# Altium PCB Audio_Player_V1.1.PcbDoc (part 1 of 2)
Units mil, origin at the board's own origin, x right, y up, seen from the top; angles counter-clockwise.
Board outline 1457.38 x 2657.34 mil, 2 copper layers (Top Layer, Bottom Layer); 114 components, 89 nets, 447 pads, 204 vias.
Unrouted connection lines stored in the file: 144.
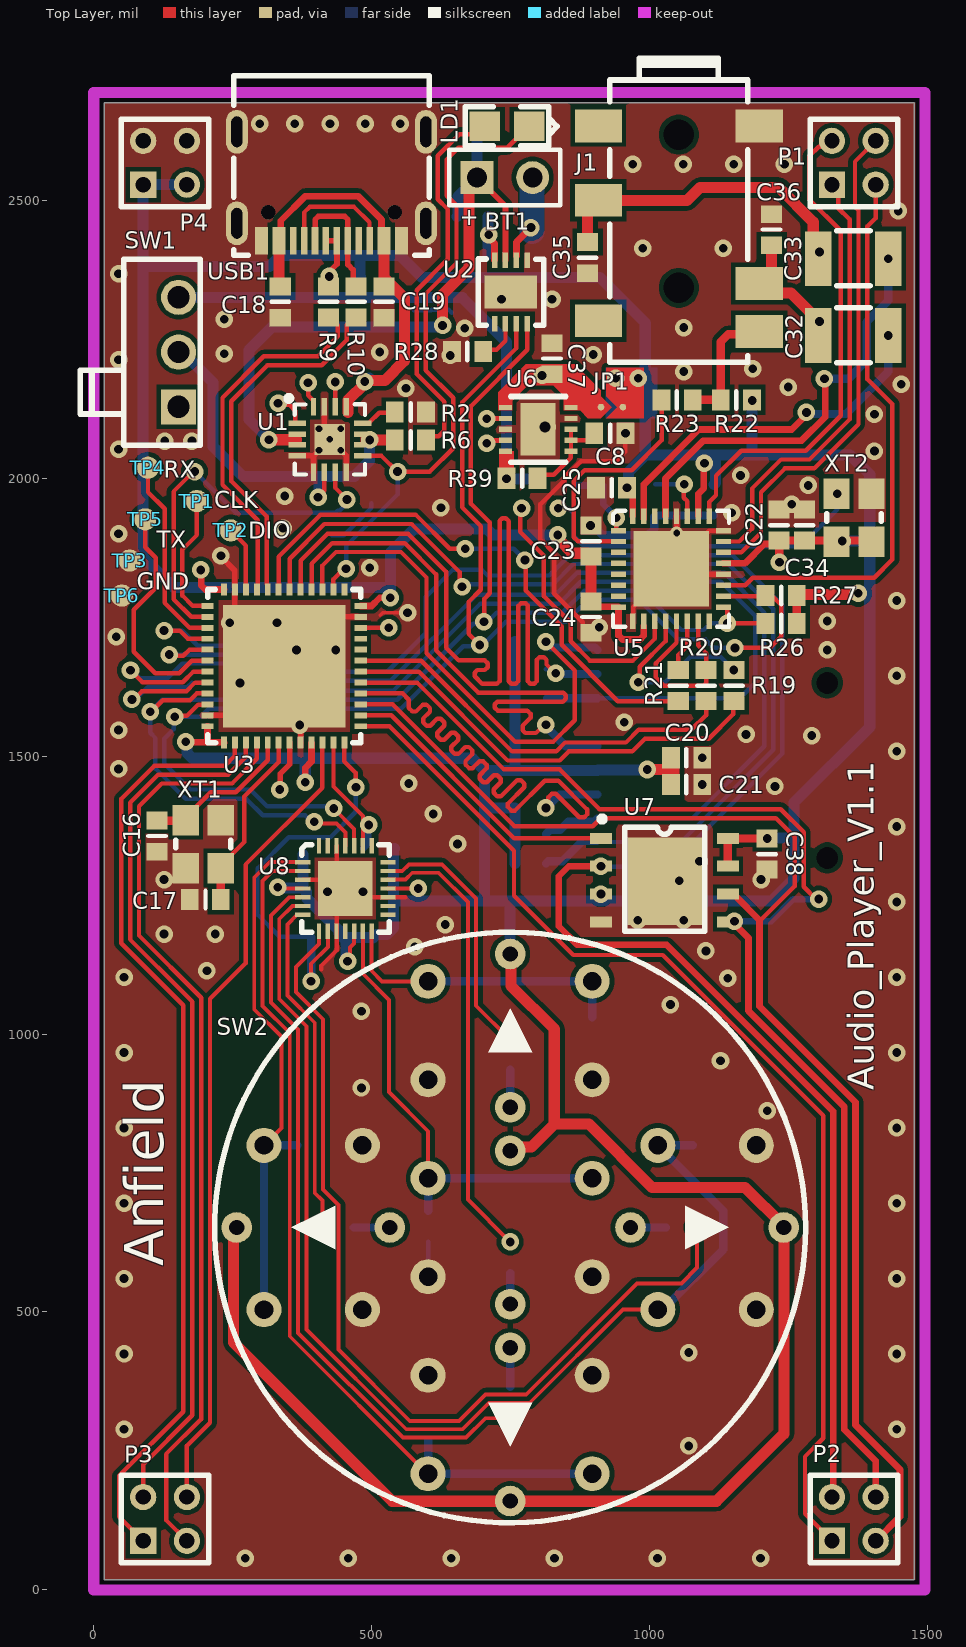
[diagram p0: Top Layer view]
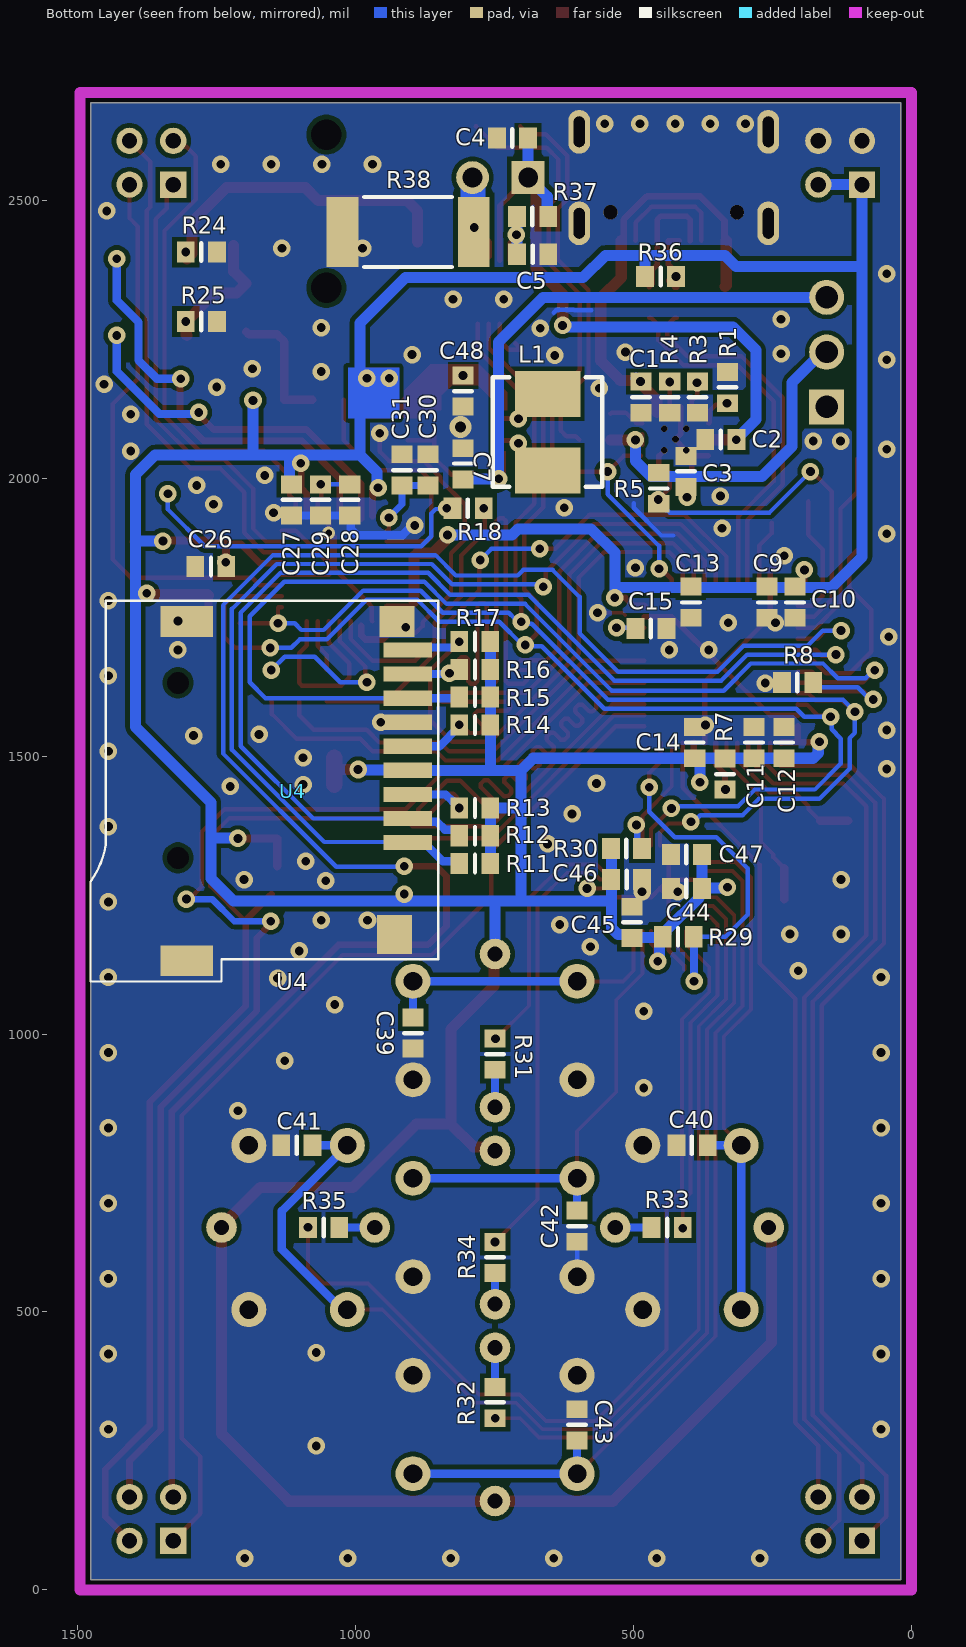
[diagram p1: Bottom Layer view, seen from below]
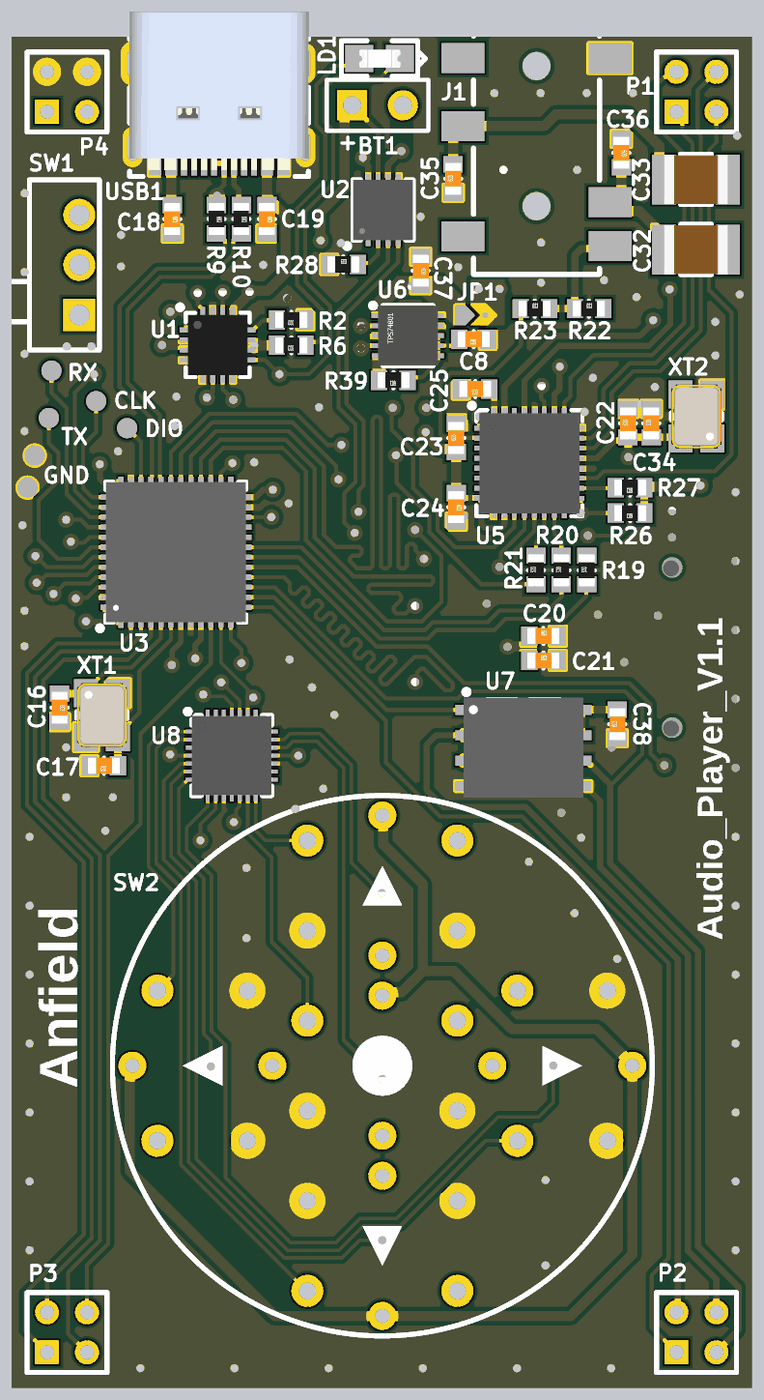
[diagram p3: 3D render of the assembled board from above, using the file's embedded part models]
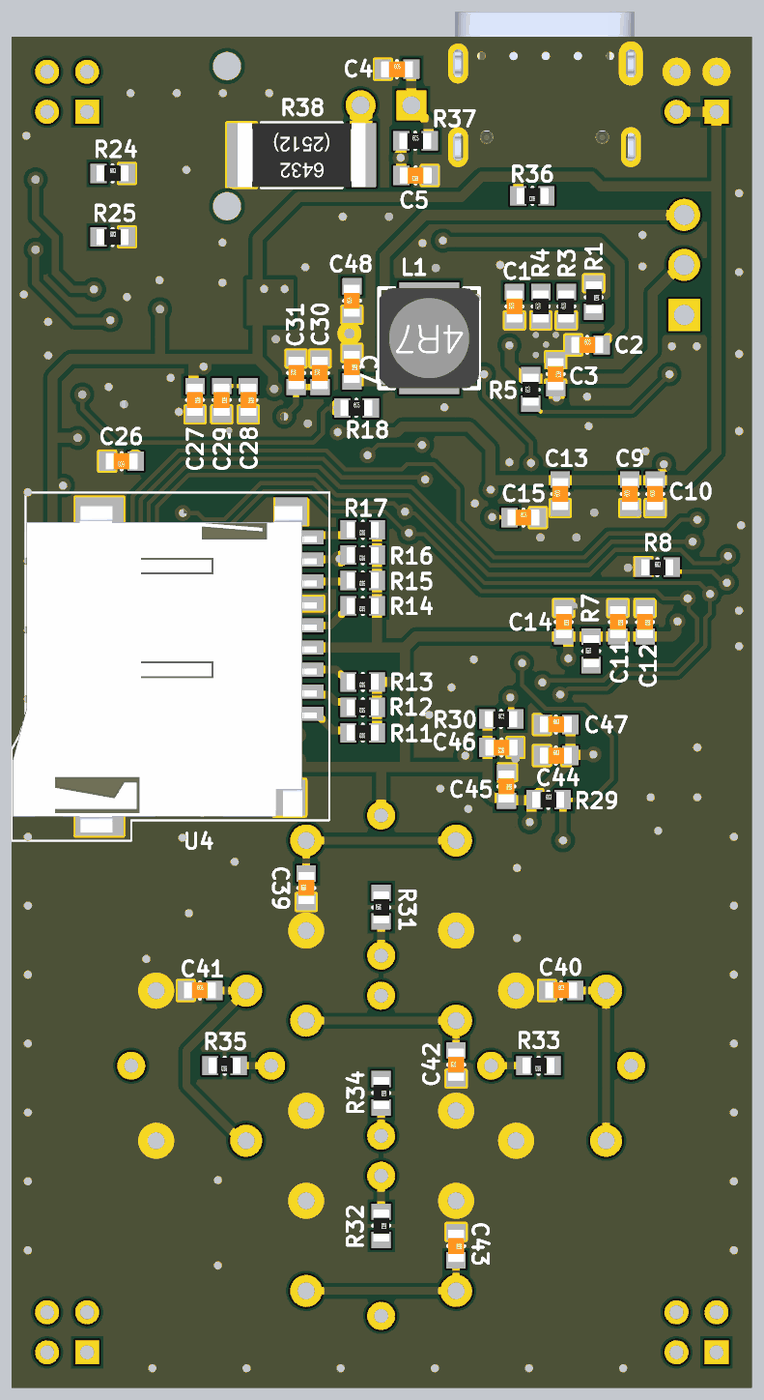
[diagram p4: 3D render of the assembled board from below, using the file's embedded part models]

## Layer stack, top to bottom
Top Solder: solder mask 0.4, Solder Resist, Dk 3.5
Top Layer: signal copper 1.4
Dielectric 1: dielectric 12.6, FR-4, Dk 4.8
Bottom Layer: signal copper 1.4
Bottom Solder: solder mask 0.4, Solder Resist, Dk 3.5

## Board outline
19.65,18.39 19.65,2675.73 1477.03,2675.73 1477.03,18.39

## Design rules (kind name [scope] priority, off if disabled: settings)
Clearance [All] p1: gap=8 ignorepadtopadclearanceinfootprint=FALSE
DiffPairsRouting [All] p1: maxlimit=10 minlimit=8 mostfreqgap=8 toplayer_minwidth=6 toplayer_maxwidth=15 toplayer_prefwidth=8 bottomlayer_minwidth=6 bottomlayer_maxwidth=15 bottomlayer_prefwidth=8 maxuncoupledlength=500
MatchedLengths SDIO [InNetClass('Net_SDIO')] p1: tolerance=1181.1 checknetsindiffpair=FALSE checkdiffpairvsdiffpair=TRUE checkxsignals=TRUE checkothers=TRUE
PolygonConnect [All] p1: connectstyle=Direct reliefconductorwidth=10 reliefentries=4 polygonreliefangle="90 Angle" airgapwidth=10
RoutingVias [All] p1: holewidth=15.75 width=31.5 viastyle="Through Hole" minholewidth=15.75 minwidth=31.5 maxholewidth=39.37 maxwidth=78.74
SolderMaskExpansion [All] p1: expansion=4 istentingtop=FALSE
Width [All] p1: maxlimit=39.37 minlimit=6 preferedwidth=8
29 further rules are at their usual default settings.

## Classes and differential pairs
net class TP6_Nets: GND
net class U6_Nets: 3V3+ 4V4 GND NetC8_2 NetL1_1 NetL1_2
net class R39_Nets: 4V4 NetC8_2
net class R38_Nets: BAT_GND GND
net class R37_Nets: NetC5_2 V_BAT
net class LD1_Nets: CHARGER NetLD1_1
net class L1_Nets: NetL1_1 NetL1_2
net class JP1_Nets: 3V3 3V3+
net class C48_Nets: 3V3+ GND
net class C4_Nets: GND V_BAT
net class R36_Nets: 3V3 USB_P
net class P4_Nets: 3V3 GND NetP4_1 NetP4_2 NetP4_3 NetP4_4
net class P2_Nets: NetP2_1 NetP2_2 NetP2_3 NetP2_4 STM_SPI1_MISO STM_SPI1_MOSI STM_SPI1_SCK VOLUME
net class R35_Nets: LED_RIGHT NetR35_1
net class R34_Nets: LED_CENTRE NetR34_2
net class R33_Nets: LED_LEFT NetR33_2
net class R32_Nets: LED_DOWN NetR32_1
net class R31_Nets: LED_UP NetR31_1
net class R30_Nets: 3V3 IO_RESET
net class R29_Nets: 3V3 IO_INT
net class C47_Nets: 3V3 GND
net class C46_Nets: 3V3 GND
net class C45_Nets: 3V3 GND
net class C44_Nets: 3V3 GND
net class U8_Nets: 3V3 BTN_CENTRE BTN_DOWN BTN_LEFT BTN_RIGHT BTN_UP GND IO_INT IO_RESET LED_CENTRE LED_DOWN LED_LEFT LED_RIGHT LED_UP NetU8_1 NetU8_2 NetU8_3 NetU8_4 NetU8_5 NetU8_6 NetU8_7 NetU8_8 NetU8_9 NetU8_10 NetU8_11 NetU8_12 NetU8_13 NetU8_14 NetU8_15 NetU8_16 NetU8_17 NetU8_18 NetU8_19 NetU8_20 NetU8_21 NetU8_22 NetU8_23 NetU8_24 NetU8_25 NetU8_26 NetU8_27 NetU8_28 NetU8_29 STM_I2C1_SCL STM_I2C1_SDA
net class U7_Nets: 3V3 FLASH_CS GND STM_SPI1_MISO STM_SPI1_MOSI STM_SPI1_SCK
net class U2_Nets: BAT_GND GND NetC5_2 NetR28_2 NetU6_5 NetU6_6 STM_I2C1_SCL STM_I2C1_SDA V_BAT
net class TP5_Nets: STM_USART1_TX
net class TP4_Nets: STM_USART1_RX
net class TP3_Nets: GND
net class SW2_Nets: 3V3 BTN_CENTRE BTN_DOWN BTN_LEFT BTN_RIGHT BTN_UP GND NetR31_1 NetR32_1 NetR33_2 NetR34_2 NetR35_1 NetSW2_5 NetSW2_6 NetSW2_11 NetSW2_12 NetSW2_17 NetSW2_18 NetSW2_23 NetSW2_24 NetSW2_29 NetSW2_30
net class R28_Nets: GND NetR28_2
net class P3_Nets: LCD_BL LCD_CS LCD_DC LCD_RST NetP2_2 NetP2_4 NetP2_6 NetP2_8
net class C43_Nets: BTN_DOWN GND
net class C42_Nets: BTN_CENTRE GND
net class C41_Nets: BTN_RIGHT GND
net class C40_Nets: BTN_LEFT GND
net class C39_Nets: BTN_UP GND
net class C38_Nets: 3V3 GND
net class C37_Nets: 3V3+ GND
net class P1_Nets: SPEAK_LN SPEAK_LP SPEAK_RN SPEAK_RP
net class R26_Nets: 3V3 STM_I2C1_SCL
net class R27_Nets: 3V3 STM_I2C1_SDA
net class XT2_Nets: 3V3 GND I2S_MCLK
net class R25_Nets: GND HEADPHONE_L
net class R24_Nets: GND HEADPHONE_R
net class R23_Nets: HP_DETECT NetJ1_6
net class R22_Nets: 3V3 NetJ1_6
net class C36_Nets: GND HEADPHONE_L
net class C35_Nets: GND HEADPHONE_R
net class C34_Nets: 3V3 GND
net class C33_Nets: HEADPHONE_R NetC33_1
net class C32_Nets: HEADPHONE_L NetC32_1
net class C31_Nets: GND MICBIAS
net class C30_Nets: GND MICBIAS
net class C29_Nets: GND NetC28_1
net class C28_Nets: GND NetC28_1
net class C27_Nets: 3V3 GND
net class C26_Nets: 3V3 GND
net class C25_Nets: 3V3 GND
net class R21_Nets: NetR21_2 STM_I2S5_SD
net class R20_Nets: NetR20_2 STM_I2S5_WS
net class R19_Nets: NetR19_2 STM_I2S5_CK
net class R18_Nets: I2S_MCLK NetR18_2
net class C24_Nets: 3V3 GND
net class C23_Nets: 3V3 GND
net class C22_Nets: 3V3 GND
net class XT1_Nets: GND OSC_IN OSC_OUT
net class USB1_Nets: GND NetUSB1_A8 NetUSB1_B8 USB_CC USB_N USB_P V_IN
net class U5_Nets: 3V3 GND HP_DETECT MICBIAS NetC28_1 NetC32_1 NetC33_1 NetR18_2 NetR19_2 NetR20_2 NetR21_2 NetU5_1 NetU5_2 NetU5_3 NetU5_4 NetU5_5 NetU5_6 NetU5_7 NetU5_8 NetU5_9 NetU5_10 NetU5_11 NetU5_12 NetU5_13 NetU5_14 NetU5_15 NetU5_16 NetU5_19 NetU5_20 NetU5_21 NetU5_22 NetU5_23 NetU5_24 NetU5_25 NetU5_26 NetU5_27 NetU5_28 NetU5_29 NetU5_30 NetU5_31 NetU5_32 NetU5_33 SPEAK_LN SPEAK_LP SPEAK_RN SPEAK_RP STM_I2C1_SCL STM_I2C1_SDA
net class U4_Nets: 3V3 GND SD_DETECT SDIO_CLK SDIO_CMD SDIO_D0 SDIO_D1 SDIO_D2 SDIO_D3
net class U3_Nets: 3V3 CHARGER FLASH_CS GND IO_INT IO_RESET LCD_BL LCD_CS LCD_DC LCD_RST NetC15_1 NetR8_2 NetU3_2 NetU3_3 NetU3_4 NetU3_10 NetU3_11 NetU3_12 NetU3_13 NetU3_14 NetU3_15 NetU3_17 NetU3_20 NetU3_21 NetU3_25 NetU3_26 NetU3_38 NetU3_39 NetU3_40 NetU3_42 nRST OSC_IN OSC_OUT PGOOD SD_DETECT SDIO_CLK SDIO_CMD SDIO_D0 SDIO_D1 SDIO_D2 SDIO_D3 STM_I2C1_SCL STM_I2C1_SDA STM_I2S5_CK STM_I2S5_SD STM_I2S5_WS STM_SPI1_MISO STM_SPI1_MOSI STM_SPI1_SCK STM_USART1_RX STM_USART1_TX STM_USB_N STM_USB_P SWCLK SWDIO VOLUME
net class U1_Nets: 4V4+ CHARGER GND NetR1_2 NetR2_2 NetR3_2 NetR4_2 PGOOD V_BAT V_IN
net class TP2_Nets: SWDIO
net class TP1_Nets: SWCLK
net class SW1_Nets: 4V4 4V4+ NetSW1_1
net class R17_Nets: 3V3 SD_DETECT
net class R16_Nets: 3V3 SDIO_D1
net class R15_Nets: 3V3 SDIO_D0
net class R14_Nets: 3V3 SDIO_CLK
net class R13_Nets: 3V3 SDIO_CMD
net class R12_Nets: 3V3 SDIO_D3
net class R11_Nets: 3V3 SDIO_D2
net class R10_Nets: STM_USB_N USB_N
net class R9_Nets: STM_USB_P USB_P
net class R8_Nets: GND NetR8_2
net class R7_Nets: 3V3 nRST
net class R6_Nets: 4V4+ NetLD1_1
net class R5_Nets: 4V4+ PGOOD
net class R4_Nets: GND NetR4_2
net class R3_Nets: GND NetR3_2
net class R2_Nets: GND NetR2_2
net class R1_Nets: GND NetR1_2
net class J1_Nets: GND HEADPHONE_L HEADPHONE_R NetJ1_1 NetJ1_2 NetJ1_3 NetJ1_4 NetJ1_5 NetJ1_6
net class C21_Nets: 3V3 GND
net class C20_Nets: 3V3 GND
net class C19_Nets: GND V_IN
net class C18_Nets: GND V_IN
net class C17_Nets: GND OSC_OUT
net class C16_Nets: GND OSC_IN
net class C15_Nets: GND NetC15_1
net class C14_Nets: 3V3 GND
net class C13_Nets: 3V3 GND
net class C12_Nets: 3V3 GND
net class C11_Nets: 3V3 GND
net class C10_Nets: 3V3 GND
net class C9_Nets: 3V3 GND
net class C8_Nets: GND NetC8_2
net class C5_Nets: GND NetC5_2
net class C7_Nets: 4V4 GND
net class C3_Nets: 4V4+ GND
net class C2_Nets: GND V_BAT
net class C1_Nets: GND V_IN
net class BT1_Nets: BAT_GND V_BAT
component class "Music Player": C22 C23 C24 C25 C26 C27 C28 C29 C30 C31 C32 C33 C34 C35 C36 J1 P1 R18 R19 R20 R21 R22 R23 R24 R25 U5 XT2
differential pair class Diff_USB: STM_USB
net class Net_SDIO: SDIO_CLK SDIO_CMD SDIO_D0 SDIO_D1 SDIO_D2 SDIO_D3
component class Main: C9 C10 C11 C12 C13 C14 C15 C16 C17 C18 C19 C20 C21 C38 C39 C40 C41 C42 C43 C44 C45 C46 C47 P2 P3 P4 R7 R8 R9 R10 R11 R12 R13 R14 R15 R16 R17 R29 R30 R31 R32 R33 R34 R35 R36 SW2 TP1 TP2 TP3 TP4 TP5 TP6 U3 U4 U7 U8 USB1 XT1
component class "Power Supply": BT1 C1 C2 C3 C4 C5 C7 C8 C37 C48 JP1 L1 LD1 R1 R2 R3 R4 R5 R6 R26 R27 R28 R37 R38 R39 SW1 U1 U2 U6
differential pair USB: +USB_P -USB_N
differential pair STM_USB: +STM_USB_P -STM_USB_N

## Components (designator, comment, footprint, x,y, rotation, side; value= is the part's Value field where it differs from the comment)
BT1 "Battery" BAT-2 740,2541 r0 top
C1 "1uF" "Cap 0603" 485,2145.92 r90 bottom
C2 "10uF" "Cap 0603" 343.32,2067.68 r180 bottom
C3 "10uF" "Cap 0603" 408,2012 r270 bottom
C4 "1uF" "Cap 0603" 718,2610 r180 bottom
C5 "220nF" "Cap 0603" 682,2405 r0 bottom
C7 "10uF" "Cap 0603" 809,2026 r270 bottom
C8 "100nF" "Cap 0603" 929,2083 r180 top
C9 "100nF" "Cap 0603" 258,1777 r90 bottom
C10 "100nF" "Cap 0603" 208,1777 r90 bottom
C11 "100nF" "Cap 0603" 285.4,1524.2 r270 bottom
C12 "100nF" "Cap 0603" 232,1524.2 r270 bottom
C13 "100nF" "Cap 0603" 395,1777 r90 bottom
C14 "10uF" "Cap 0603" 392.21,1524.2 r270 bottom
C15 "2.2uF" "Cap 0603" 469,1728 r180 bottom
C16 "12pF" "Cap 0603" 112,1356 r270 top
C17 "12pF" "Cap 0603" 201,1244 r180 top
C18 "10uF" "Cap 0603" 334,2316.79 r270 top
C19 "100nF" "Cap 0603" 520.43,2316.79 r270 top
C20 "100nF" "Cap 0603" 1067,1495.1 r0 top
C21 "1uF" "Cap 0603" 1067,1447 r0 top
C22 "1uF" "Cap 0603" 1235,1916 r90 top
C23 "100nF" "Cap 0603" 897,1887 r90 top
C24 "100nF" "Cap 0603" 893,1750 r270 top
C25 "100nF" "Cap 0603" 932,1985 r180 top
C26 "100nF" "Cap 0603" 1261,1843 r0 bottom
C27 "10uF" "Cap 0603" 1118,1961 r270 bottom
C28 "10uF" "Cap 0603" 1013,1961 r270 bottom
C29 "100nF" "Cap 0603" 1065.5,1961 r270 bottom
C30 "100nF" "Cap 0603" 868,2015 r90 bottom
C31 "10uF" "Cap 0603" 915,2015 r90 bottom
C32 "100uF-10V" "Cap 1210" 1367,2257 r180 top
C33 "100uF-10V" "Cap 1210" 1367,2395 r180 top
C34 "100nF" "Cap 0603" 1281,1916 r90 top
C35 "220pF" "Cap 0603" 891,2397 r90 top
C36 "220pF" "Cap 0603" 1218,2447 r270 top
C37 "10uF" "Cap 0603" 823,2215 r270 top
C38 "100nF" "Cap 0603" 1214,1324 r90 top
C39 "100nF" "Cap 0603" 895,1002 r90 bottom
C40 "100nF" "Cap 0603" 395,798 r180 bottom
C41 "100nF" "Cap 0603" 1106,798 r180 bottom
C42 "100nF" "Cap 0603" 600,654.4 r90 bottom
C43 "100nF" "Cap 0603" 604,297 r270 bottom
C44 "100nF" "Cap 0603" 405,1260 r180 bottom
C45 "100nF" "Cap 0603" 505,1201 r270 bottom
C46 "100nF" "Cap 0603" 513,1280 r0 bottom
C47 "10uF" "Cap 0603" 405,1321 r180 bottom
C48 "10uF" "Cap 0603" 805,2157 r90 bottom
J1 "Jack Audio 4 PJ-342-4.5H" PJ-342 1053,2716.54 r270 top
JP1 "Jump 1mm" "Jump 1mm" 932.69,2128 r0 top
L1 "2R2uH" "Inductor 0520" 655,2083 r0 bottom
LD1 "LED" LED 738,2634 r0 top
P1 "Header 2x2" "Header 2mm 2x2" 1368,2567.26 r0 top
P2 "Header 2x2" "Header 2mm 2x2" 1368,127.26 r0 top
P3 "Header 2x2" "Header 2mm 2x2" 128.78,127.26 r0 top
P4 "Header 2x2" "Header 2mm 2x2" 128.78,2567.26 r0 top
R1 "10k" "Res 0603" 331,2163 r270 bottom
R2 "1k1-1%" "Res 0603" 570,2119 r180 top
R3 "1k3-1%" "Res 0603" 385,2145.92 r90 bottom
R4 "47k-1%" "Res 0603" 435.31,2145.92 r90 bottom
R5 "1k5-1%" "Res 0603" 455,1982 r90 bottom
R6 "1k5-1%" "Res 0603" 570,2069 r180 top
R7 "1k-1%" "Res 0603" 336,1468 r90 bottom
R8 "1k-1%" "Res 0603" 205.2,1632.47 r180 bottom
R9 "10R-1%" "Res 0603" 423,2317 r270 top locked
R10 "10R-1%" "Res 0603" 472,2317 r270 top locked
R11 "10k-1%" "Res 0603" 786,1307 r0 bottom
R12 "10k-1%" "Res 0603" 786,1356.88 r0 bottom
R13 "10k-1%" "Res 0603" 786,1406.75 r0 bottom
R14 "10k-1%" "Res 0603" 786,1556.38 r0 bottom
R15 "10k-1%" "Res 0603" 786,1606.25 r0 bottom
R16 "10k-1%" "Res 0603" 786,1656.12 r0 bottom
R17 "10k-1%" "Res 0603" 786,1706 r0 bottom
R18 "10R-1%" "Res 0603" 798,1946 r180 bottom
R19 "10R-1%" "Res 0603" 1152,1627 r90 top
R20 "10R-1%" "Res 0603" 1102,1627 r90 top
R21 "10R-1%" "Res 0603" 1052,1627 r90 top
R22 "33k-1%" "Res 0603" 1156.58,2141 r0 top
R23 "0R-1%" "Res 0603" 1050,2141 r0 top
R24 "10k-1%" "Res 0603" 1278,2407 r180 bottom
R25 "10k-1%" "Res 0603" 1278,2282 r180 bottom
R26 "10k-1%" "Res 0603" 1237,1739 r180 top
R27 "10k-1%" "Res 0603" 1237,1789 r180 top
R28 "200k-1%" "Res 0603" 673,2228 r0 top
R29 "10k-1%" "Res 0603" 420,1175 r180 bottom
R30 "10k-1%" "Res 0603" 513,1334 r180 bottom
R31 "330R-1%" "Res 0603" 749.54,963.81 r90 bottom
R32 "330R-1%" "Res 0603" 749.54,337 r270 bottom
R33 "330R-1%" "Res 0603" 440,652 r0 bottom
R34 "330R-1%" "Res 0603" 749.54,598 r270 bottom
R35 "330R-1%" "Res 0603" 1058,652 r0 bottom
R36 "1k5-1%" "Res 0603" 452,2363 r0 bottom
R37 "1k-1%" "Res 0603" 682,2471 r180 bottom
R38 "0.05R-1%" "Res 2512" 906,2443 r0 bottom
R39 "100R-1%" "Res 0603" 771,2000 r180 top
SW1 "Switch" "Slide switch MSK-38" 153,2227 r90 top
SW2 "Switch 5 ways" "Switch 5 ways" 749.54,652 r0 top locked
TP1 "TP" TP 186,1959 r180 top
TP2 "TP" TP 247,1906 r180 top
TP3 "TP" TP 65,1852 r180 top
TP4 "TP" TP 98,2019 r180 top
TP5 "TP" TP 93,1926 r180 top
TP6 "TP" TP 51,1789 r90 top
U1 "BQ24073" QFN-16 425.31,2069.68 r0 top locked
U2 "STC3100IQT" "DFN-8 3x3" 751,2335 r90 top
U3 "STM32F411CEU6" UFQFPN-48 343,1662 r90 top locked
U4 "MicroSD" "MicroSD A" 1133.62,1463.55 r270 bottom locked
U5 "WM8960" "QFN-32 5X5" 1039,1837 r0 top locked
U6 "TPS63001" "VSON-10 3x3" 800,2088.01 r0 top locked
U7 "W25Qxx" "WSON 6x5" 1028,1275 r0 top
U8 "SX1509B" "QFN-28 4x4" 453,1262 r0 top
USB1 "USB type C" "USB Type C" 427.99,2541 r180 top
XT1 "25Mhz" "Crystal 3225" 197.5,1341.69 r270 top
XT2 "OSC 24MHz" "Crystal 3225" 1368,1929.06 r90 top locked

## Footprints (in the part's own frame and the unit in brackets; to place one, negate y for a bottom-side part, rotate by r counter-clockwise, add the part's x,y. Pads: shape width x height; smd on the part's side, far side on the other; paste and mask are expansions set on the pad)
BAT-2 [mm] "Battery; 2 Leads"
  rect 1.5x1.5 hole 0.9: 1(-1.27,0)
  round 1.5 hole 0.9: 2(1.27,0)
  silkscreen extent -2.54,-1.27 2.54,1.27
"Cap 0603" [mil] "Cap 0603"
  rect 32x38 smd: 1(-28,2) 2(28,2)
  silkscreen extent 0,-14 0,18, body extent -32,-14 31,18, height 12
"Cap 1210" [mm] "Cap 1210 (3225 Metric)"
  rect 1.2x2.5 smd: 1(-1.6,0) 2(1.6,0)
  silkscreen extent -0.76,-1.27 0.76,1.24, body extent -1.6,-1.25 1.6,1.25, height 2.5
"Crystal 3225" [mm] "Crystal 3225-4 Pins ( 3.2mm x 2.5mm)"
  rect 1.4x1.2 smd: 1(-1.1,-0.8) 2(1.1,-0.8) 3(1.1,0.8) 4(-1.1,0.8)
  silkscreen extent -0.17,-1.25 0.17,1.25, body extent -1.6,-1.25 1.6,1.25, height 0.61
"DFN-8 3x3" [mm] "DFN-8 3mm x 3mm"
  rect 0.7x0.25 smd: 1(-1.45,0.75) 2(-1.45,0.25) 3(-1.45,-0.25) 4(-1.45,-0.75) 5(1.45,-0.75) 6(1.45,-0.25) 7(1.45,0.25) 8(1.45,0.75)
  rect 1.5x2.4 smd: 9(0,0)
  round 0.5 on Top Overlay: ""(-1.8,1.8)
  silkscreen extent -1.51,-1.5 1.51,1.5, body extent -1.51,-1.5 1.51,1.5, height 0.8
"Header 2mm 2x2" [mm] "Header 2mm 2x2"
  rect 1.2x1.2 hole 0.7: 1(-1.004,-0.991)
  round 1.2 hole 0.7: 2(-1.004,1.009) 3(0.996,-0.991) 4(0.996,1.009)
  silkscreen extent -2,-2 2,2
"Inductor 0520" [mm] "Inductor 5x5x2mm"
  rect 3x2.1 smd: 1(0,1.75) 2(0,-1.75)
  silkscreen extent -2.5,-2.5 2.5,2.5, body extent -2.5,-2.5 2.5,2.5, height 2.85
"Jump 1mm" [mm] "Jump 1mm"
  round 0.3 smd: 1(-0.5,0) 2(0.5,0)
  Top Layer region: -0.25,0.5 0.25,0 -0.25,-0.5 0.5,-0.5 1,0 0.5,0.5
  Top Layer region: -1,0.5 -0.5,0.5 0,0 -0.5,-0.5 -1,-0.5
LED [mil] "LED"
  rect 55x53 smd: 1(-34,-1) 2(46,-1)
  silkscreen extent -69,-36 96,34, body extent -34,-19 47,17, height 33
"MicroSD A" [mil] "MicroSD socket"
  rect 27.53x86.6 smd: 1(119,227) 2(75.7,227) 3(32.4,227) 4(-10.92,227) 5(-54.22,227) 6(-97.53,227) 7(-140.83,227) 8(-184.13,227) 9(-227.45,227)
  rect 55.1x62.97 smd: 10(-278.63,207.32)
  rect 55.1x94.47 smd: 11(-278.63,-170.63) 12(331.58,-170.63)
  rect 70.83x62.97 smd: 13(284.35,203.38)
  round 0 hole 39.37: 14(146.55,-186.38) 15(-168.4,-186.38)
  silkscreen extent -316,-344 369,282, body extent -289,-342 353,257, height 82
PJ-342 [mm] "PJ-342"
  rect 1.5x2.15 smd: 1(2.1,-3.675) 2(2.1,3.675) 3(5.5,-3.675) 4(9.3,3.675) 5(11,-3.675) 6(11.5,3.675)
  round 0 hole 1.4: ""(2.5,0) ""(9.5,0)
  silkscreen extent -1,-3.15 12.9,3.15
QFN-16 [mm] "QFN-16"
  rect 0.8x0.25 smd: 1(-1.5,0.75) 2(-1.5,0.25) 3(-1.5,-0.25) 4(-1.5,-0.75) 9(1.5,-0.75) 10(1.5,-0.25) 11(1.5,0.25) 12(1.5,0.75)
  rect 0.25x0.8 smd: 5(-0.75,-1.5) 6(-0.25,-1.5) 7(0.25,-1.5) 8(0.75,-1.5) 13(0.75,1.5) 14(0.25,1.5) 15(-0.25,1.5) 16(-0.75,1.5)
  rect 1.4x1.4 smd: 17(0,0)
  silkscreen extent -2,-1.6 1.6,2, body extent -1.5,-1.5 1.5,1.5, height 0.9
"QFN-28 4x4" [mm] "QFN-UT 28-pin, 4 x 4 mm, 0.4 mm pitch"
  rect 0.7x0.2 smd: 1(-1.95,1.2) 2(-1.95,0.8) 3(-1.95,0.4) 4(-1.95,0) 5(-1.95,-0.4) 6(-1.95,-0.8) 7(-1.95,-1.2) 15(1.95,-1.2) 16(1.95,-0.8) 17(1.95,-0.4) 18(1.95,0) 19(1.95,0.4) 20(1.95,0.8) 21(1.95,1.2)
  rect 0.2x0.7 smd: 8(-1.2,-1.95) 9(-0.8,-1.95) 10(-0.4,-1.95) 11(0,-1.95) 12(0.4,-1.95) 13(0.8,-1.95) 14(1.2,-1.95) 22(1.2,1.95) 23(0.8,1.95) 24(0.4,1.95) 25(0,1.95) 26(-0.4,1.95) 27(-0.8,1.95) 28(-1.2,1.95)
  rect 2.5x2.5 smd: 29(0,0)
  round 0.5 on Top Overlay: ""(-2.2,2.2)
  silkscreen extent -2,-2 2,2, body extent -2,-2 2,2, height 0.75
"QFN-32 5X5" [mm] "QFN-32 5X5"
  rect 0.7x0.25 smd: 1(-2.4,1.75) 2(-2.4,1.25) 3(-2.4,0.75) 4(-2.4,0.25) 5(-2.4,-0.25) 6(-2.4,-0.75) 7(-2.4,-1.25) 8(-2.4,-1.75) 17(2.4,-1.75) 18(2.4,-1.25) 19(2.4,-0.75) 20(2.4,-0.25) 21(2.4,0.25) 22(2.4,0.75) 23(2.4,1.25) 24(2.4,1.75)
  rect 0.25x0.7 smd: 9(-1.75,-2.4) 10(-1.25,-2.4) 11(-0.75,-2.4) 12(-0.25,-2.4) 13(0.25,-2.4) 14(0.75,-2.4) 15(1.25,-2.4) 16(1.75,-2.4) 25(1.75,2.4) 26(1.25,2.4) 27(0.75,2.4) 28(0.25,2.4) 29(-0.25,2.4) 30(-0.75,2.4) 31(-1.25,2.4) 32(-1.75,2.4)
  rect 3.45x3.45 smd: 33(0,0)
  round 0.5 on Top Overlay: ""(-2.875,2.875)
  silkscreen extent -2.65,-2.65 2.65,2.65, body extent -2.5,-2.5 2.5,2.5, height 0.9
"Res 0603" [mil] "Res 0603"
  rect 32x38 smd: 1(-28,0) 2(28,0)
  silkscreen extent 0,-16 0,16, body extent -32,-16 31,16, height 12
"Res 2512" [mm] "Res 2512"
  rect 1.45x3.2 smd: 1(-3,0) 2(3,0)
  silkscreen extent -2,-1.6 2,1.6, body extent -3.2,-1.6 3.2,1.6, height 0.6
"Slide switch MSK-38" [mm] "Slide switch MSK-38"
  rect 1.6x1.6 hole 1.02: 1(-2.5,0)
  round 1.6 hole 1.02: 2(0,0) 3(2.5,0)
  silkscreen extent -4.25,-1 4.25,4.5
"Switch 5 ways" [mm] "Switch 5 ways with Led"
  round 1.6 hole 0.85: 1(-3.75,2.25) 2(3.75,2.25) 3(-3.75,-2.25) 4(3.75,-2.25) 7(-11.25,3.75) 8(-11.25,-3.75) 9(-6.75,3.75) 10(-6.75,-3.75) 13(11.25,3.75) 14(11.25,-3.75) 15(6.75,3.75) 16(6.75,-3.75) 19(-3.75,11.25) 20(3.75,11.25) 21(-3.75,6.75) 22(3.75,6.75) 25(-3.75,-11.25) 26(3.75,-11.25) 27(-3.75,-6.75) 28(3.75,-6.75)
  round 1.4 hole 0.7: 5(0,3.5) 6(0,-3.5) 11(-12.5,0) 12(-5.5,0) 17(12.5,0) 18(5.5,0) 23(0,12.5) 24(0,5.5) 29(0,-12.5) 30(0,-5.5)
  round 3 on Top Overlay: ""(0,0)
  silkscreen extent -13.5,-13.5 13.5,13.5, body extent -13.5,-13.49 13.5,13.5, height 6.27
TP [mil] "TP"
  round 40 smd: 1(0,0)
UFQFPN-48 [mm] "UFQFPN48 - 48-lead, 7 x 7 mm, 0.5 mm pitch"
  rect 0.55x0.27 smd: 1(-3.5,2.75) 2(-3.5,2.25) 3(-3.5,1.75) 4(-3.5,1.25) 5(-3.5,0.75) 6(-3.5,0.25) 7(-3.5,-0.25) 8(-3.5,-0.75) 9(-3.5,-1.25) 10(-3.5,-1.75) 11(-3.5,-2.25) 12(-3.5,-2.75) 25(3.5,-2.75) 26(3.5,-2.25) 27(3.5,-1.75) 28(3.5,-1.25) 29(3.5,-0.75) 30(3.5,-0.25) 31(3.5,0.25) 32(3.5,0.75) 33(3.5,1.25) 34(3.5,1.75) 35(3.5,2.25) 36(3.5,2.75)
  rect 0.27x0.55 smd: 13(-2.75,-3.5) 14(-2.25,-3.5) 15(-1.75,-3.5) 16(-1.25,-3.5) 17(-0.75,-3.5) 18(-0.25,-3.5) 19(0.25,-3.5) 20(0.75,-3.5) 21(1.25,-3.5) 22(1.75,-3.5) 23(2.25,-3.5) 24(2.75,-3.5) 37(2.75,3.5) 38(2.25,3.5) 39(1.75,3.5) 40(1.25,3.5) 41(0.75,3.5) 42(0.25,3.5) 43(-0.25,3.5) 44(-0.75,3.5) 45(-1.25,3.5) 46(-1.75,3.5) 47(-2.25,3.5) 48(-2.75,3.5)
  rect 5.6x5.6 smd: 49(0,0)
  round 0.5 on Top Overlay: ""(-3.8,3.8)
  silkscreen extent -3.5,-3.5 3.5,3.5, body extent -3.5,-3.5 3.5,3.5, height 0.55
"USB Type C" [mm] "USB Type C 16 Pins"
  oval 1x2 hole 1.4 slot 0.5 at 0 deg mask+0: 0(-4.32,-2.09) 0(-4.32,2.09) 0(4.32,2.09)
  round 0.65 hole 0.65 mask+0: 0(-2.89,1.59) 0(2.89,1.59)
  oval 1x2 hole 1.4 slot 0.5 at 0 deg mask+0.102: 0(4.32,-2.09)
  rect 0.6x1.25 smd: A1(-3.2,2.89) A4(-2.4,2.89) B1(3.2,2.89) B4(2.4,2.89)
  rect 0.3x1.25 smd: A5(-1.75,2.89) A6(-0.25,2.89) A7(0.75,2.89) A8(1.75,2.89) B5(1.25,2.89) B6(0.25,2.89) B7(-0.75,2.89) B8(-1.25,2.89)
  silkscreen extent -4.47,-4.65 4.47,3.56, body extent -4.47,-4.65 4.47,3.25, height 3.25
"VSON-10 3x3" [mm] "VSON-10 3mm x 3mm"
  rect 0.6x0.24 smd: 1(-1.5,1) 2(-1.5,0.5) 3(-1.5,0) 4(-1.5,-0.5) 5(-1.5,-1) 6(1.5,-1) 7(1.5,-0.5) 8(1.5,0) 9(1.5,0.5) 10(1.5,1)
  rect 1.6x2.4 smd: 11(0,0)
  round 0.5 on Top Overlay: ""(-1.75,1.5)
  silkscreen extent -1.25,-1.5 1.25,1.5, body extent -1.5,-1.5 1.5,1.5, height 1
"WSON 6x5" [mm] "W25Qxx"
  rect 1x0.5 smd: 1(-2.921,1.956) 2(-2.921,0.686) 3(-2.921,-0.584) 4(-2.921,-1.854) 5(2.879,-1.854) 6(2.879,-0.584) 7(2.879,0.686) 8(2.879,1.956)
  rect 3.4x4 smd: 9(0,0)
  silkscreen extent -3,-2.29 1.83,2.97, body extent -3.02,-2.44 2.98,2.56, height 0.83

## Part data
BT1: "Multicell Battery", LatestRevisionDate=17-Jul-2002, LatestRevisionNote="Re-released for DXP Platform.", PackageDescription="Battery; 2 Leads", PackageReference=BAT-2, Published=24-Mar-1999, Publisher="Altium Limited"
C1 C2 C3 C4 C5 C7 C8 C9 C10 C11 C12 C13 C14 C15 C16 C17 C18 C19 C20 C21 C22 C23 C24 C25 C26 C27 C28 C29 C30 C31 C32 C33 C34 C35 C36 C37 C38 C39 C40 C41 C42 C43 C44 C45 C46 C47 C48: library part Cap, "Cap SMD"
J1: "Jack Audio 3.5 4 pole CTIA use for: Samsung, Apple, Sony"
JP1: library part Jump
L1: library part Inductor, "L- SMD"
R1 R2 R3 R4 R5 R6 R7 R8 R9 R10 R11 R12 R13 R14 R15 R16 R17 R18 R19 R20 R21 R22 R23 R24 R25 R26 R27 R28 R29 R30 R31 R32 R33 R34 R35 R36 R37 R38 R39: library part Res, "Res SMD"
SW1: library part "SW 3", "MSK-38 Slide switch 3 pin"
SW2: "Switch 5 ways: left, right, up, down, centre"
U1: "Li-Ion Battery Charger"
U2: library part STC3100, "Battery monitor IC with Coulomb counter/gas gauge"
U3: "UFQFPN48 Arm® Cortex®-M4 32b MCU+FPU, 125 DMIPS, 512KB Flash, / 128KB RAM, USB OTG FS, 11 TIMs, 1 ADC, 13 comm. interfaces"
U4: library part MicroSD-A, "MicroSD Push-Push A"
U5: "Stereo CODEC with 1W Stereo Class D Speaker Drivers and Headphone Drivers for Portable Audio Applications"
U6: "TPS6300x High-Efficient Single Inductor Buck-Boost Converter With 1.8-A Switches"
U7: "Flash Memory SPI Interface"
U8: "SX1509B 16-channel I2C GPIO with LED Driver and Keypad Engine"
USB1: "USB type C 16 Pins"
XT1: library part XT4, "Xtal 4 pins SMD"
XT2: library part "XTAL- 4 Pins", "Xtal - OSC"
LD1: Name=LED

## Via types
v1: diameter 31.5, hole 15.75, Top Layer to Bottom Layer, tented both sides, 197 vias
v2: diameter 11.81, hole 11.81, Top Layer to Bottom Layer, tented both sides, 5 vias
v3: diameter 39.37, hole 19.68, Top Layer to Bottom Layer, 1 vias
v4: diameter 23.62, hole 11.81, Top Layer to Bottom Layer, tented both sides, 1 vias

## Nets (pads, with @x,y where several pads share a name; then routed paths per layer and width w, separated by ;. In a path a pad name is that pad's centre, name@x,y a point inside that pad or via, vN(x,y) a via of type N, cw(c..) or ccw(c..) an arc to the next point about the centre after c; other vN are vias at no path point)
3V3: C9.2 C10.2 C11.2 C12.2 C13.2 C14.2 C20.1 C21.1 C22.1 C23.1 C24.1 C25.1 C26.1 C27.1 C34.1 C38.2 C44.2 C45.2 C46.2 C47.2 JP1.2 P4.1 P4.3 R7.2 R11.1 R12.1 R13.1 R14.1 R15.1 R16.1 R17.1 R22.2 R26.1 R27.1 R29.1 R30.1 R36.2 SW2.5 SW2.11 SW2.17 SW2.23 SW2.29 U3.1 U3.9 U3.24 U3.36 U3.48 U4.4 U5.8 U5.10 U5.21 U5.26 U5.32 U7.3 U7.7 U7.8 U8.4 U8.12 U8.18 XT2.1 XT2.4 | length 11581.8
  Top Layer w7: v1(331.53,1264.07) 333.6,1262 U8.4@376.23,1262 ; v1(457,1131) 461.69,1135.69 461.69,1156.06 468.75,1163.12 U8.12@468.75,1185.23 ; U8.18@529.77,1262 v1(584,1262)
  Top Layer w8: v1(960,1983) C25.1@970.1,1972.9 ; v1(1099,2027) v1@1100,2026 ; C22.1@1226.69,1881.69 C22.1@1233,1888
  Top Layer w12: v1(166,1526) 166.9,1525.1 233.83,1525.1 U3.1@234.73,1524.2 ; v1(193,1835) 193.58,1834.42 193.58,1807.44 201.22,1799.8 U3.36@234.73,1799.8 ; 205.2,1525.1 U3.48@205.2,1553.73 ; v1(381,1453) 381,1479 392.21,1490.21 U3.9@392.21,1524.2 ; U3.24@480.8,1770.27 500.27,1770.27 515,1785 v1(534,1785) ; C24.1@895,1778 895,1774 900.13,1768.87 943.75,1768.87 U5.8@944.51,1768.1 944.51,1716.92 951.54,1709.89 982.92,1709.89 989.95,1716.92 U5.10@989.95,1734.73 ; U5.32@970.1,1931.49 C25.1@970.1,1977.9 ; U5.26@1088.21,1931.49 1088.21,1972.14 1098,1981.93 1098,2024 v1@1100,2026 ; U5.21@1133.49,1846.84 1171.84,1846.84 1206.69,1881.69 C22.1@1226.69,1881.69
  Top Layer w15: U7.7@1141.35,1302 U7.8@1141.35,1352 v1(1212,1352) ; v1(1234,1848.95) 1233.5,1849.45 1233.5,1887.5 C22.1@1233,1888 C34.1@1279,1888 1397.25,1888 XT2.1@1399.5,1885.75 ; R26.1@1265,1739 R27.1@1265,1789
  Top Layer w20: SW2.11@257.41,652 252,646.59 252,445 537.41,159.59 749.25,159.59 SW2.29@749.54,159.87 749.82,159.59 1120.59,159.59 1241.94,280.94 1241.94,654.51 1172.2,724.25 1004.96,724.25 891.21,838 829.3,838 ; SW2.5@749.54,789.8 756.25,796.51 787.81,796.51 829.3,838 ; SW2.23@749.54,1144.13 751.43,1142.23 751.43,1086.57 829,1009 829,838 829.3,838 ; v1(835,1898) 837.2,1895.8 837.2,1889.72 861.92,1865 889,1865 C23.1@895,1859 C24.1@895,1778 ; v1(996,1476) 1033,1476 ; R27.1@1265,1789 1267,1791 1374,1791 v1(1376,1793)
  Top Layer w30: C21.1@1039,1449 C20.1@1039,1497.1
  Bottom Layer w8: C14.2@381,1486.99 C14.2@390.21,1496.2
  Bottom Layer w20: v1(166,1526) 168,1524 168,1506 177.8,1496.2 C12.2@230,1496.2 C11.2@283.4,1496.2 C14.2@390.21,1496.2 681.38,1496.2 703.12,1474.47 703.12,1407 ; P4.3@168,2528.26 P4.1@89.26,2528.26 89.26,2381.17 ; v1(331.53,1264.07) 332.57,1263.03 375.97,1263.03 C44.2@377,1262 ; C47.2@377,1323 C44.2@377,1262 ; v1(381,1453) C14.2@381,1486.99 ; v1(457,1131) 457,1134.11 454,1137.11 454,1169 R29.1@449,1174 ; R36.2@480,2363 479.58,2363.42 479.58,2401 ; v1(534,1785) 534,1810 ; R30.1@541,1334 540,1333 540,1243 ; 703.76,1474.47 758,1474.47 ; SW2.23@749.54,1144.13 749.54,1239.44 ; R11.1@758,1307 R12.1@758,1356.88 R13.1@758,1406.75 757.75,1407 703.12,1407 ; R17.1@758,1706 R16.1@758,1656.12 R15.1@758,1606.25 R14.1@758,1556.38 758,1474.47 ; v1(835,1898) 718.91,1898 708,1908.91 576.91,1908.91 534,1866 534,1810 ; v1@960,1988 962.2,1990.2 962.2,2011.5 992.7,2042 ; v1(996,1476) 995.23,1475.23 907.38,1475.23 U4.4@906.62,1474.47 758,1474.47 ; C27.1@1116,1989 1119,1992 1119,2042 ; v1(1185,2140) 1185,2042 ; v1(1212,1352) 1213,1353 1260.28,1353 ; v1(1347,1887) 1393.53,1887 1396.53,1890 ; 1396.53,1792 1396.53,1552.53 1260.28,1416.28 1260.28,1353 ; 1396.53,1793 1396.53,1890 ; 89.26,2381.17 89.26,1858.74 144.59,1803.41 527.41,1803.41 534,1810 ; 89.26,2381.17 316.17,2381.17 336,2401 479.58,2401 ; C44.2@377,1262 383,1256 383,1245.07 442,1186.07 442,1181 R29.1@448,1175 R29.1@449,1174 ; R29.1@449,1174 502,1174 C45.2@503,1173 509,1179 528.28,1179 540,1190.72 540,1243 ; 479.58,2401 551,2401 591,2361 910.88,2361 992.7,2279.18 992.7,2042 ; 540,1243 543.56,1239.44 703.12,1239.44 ; 703.12,1239.44 703.12,1407 ; 703.12,1239.44 749.54,1239.44 ; 749.54,1239.44 1219.72,1239.44 1260.28,1280 1260.28,1353 ; 992.7,2042 1119,2042 ; 1119,2042 1185,2042 ; 1185,2042 1361,2042 1396.53,2006.47 1396.53,1890
  other v1: 913,1252 939.69,2179.69 980,2179.69
3V3+: C37.2 C48.2 JP1.1 U6.1 U6.10
  other v1: 807,2185
4V4: C7.2 R39.2 SW1.3 U6.5 | length 974.2
  Top Layer w11.81: R39.2@743.47,1997.53 R39.2@743.47,1999.53 ; U6.5@743.47,2047.46 R39.2@743.47,1999.53 ; R39.2@746,1997 R39.2@743.47,1999.53
  Bottom Layer w20: SW1.3@153,2325.43 153.43,2325 663.3,2325 743,2245.3 v1(743,1999) ; v1@746,1998.5 796.5,1998.5 C7.2@797,1998
4V4+: C3.2 R5.2 R6.2 SW1.2 U1.6 U1.10 U1.11 | length 705.7
  Top Layer w8: v1(404,1966) 415.47,1977.47 U1.6@415.47,2010.63 ; U1.10@484.37,2059.84 U1.11@484.37,2079.53
  Top Layer w20: v1(497,2069) R6.2@542,2069
  Bottom Layer w20: SW1.2@153,2227 160,2227 215,2172 215,2057 269,2003 406.12,2003 ; v1(404,1966) 406.12,1968.12 406.12,2003 ; v1(497,2069) 496.75,2068.75 496.75,2030.75 469,2003 406.12,2003
BAT_GND: BT1.2 R38.1 U2.6 | length 160.8
  Top Layer w12: U2.6@760.84,2399.87 760.84,2424.84 v1(787,2451)
  Bottom Layer w30: R38.1@787.89,2443 R38.1@788.94,2444.06 ; BT1.2@788.94,2539.94 BT1.2@790,2541
  Bottom Layer w45: R38.1@788.94,2444.06 BT1.2@788.94,2539.94
BTN_CENTRE: C42.2 SW2.1 SW2.2 U8.13 | length 846.8
  Top Layer w7: U8.13@484.5,1185.23 484.5,1108.5 531.51,1061.49 531.51,895.49 601.9,825.1 SW2.1@601.9,740.58
  Bottom Layer w15: C42.2@602,682.4 601.95,682.46 601.95,740.53 SW2.1@601.9,740.58 SW2.2@897.17,740.58
BTN_DOWN: C43.2 SW2.25 SW2.26 U8.2 | length 1625.4
  Top Layer w7: U8.2@376.23,1293.5 322.43,1293.5 304.08,1275.15 304.08,1050.71 353.06,1001.72 353.06,456.3 600.27,209.09 SW2.25@601.9,209.09
  Bottom Layer w15: C43.2@602,269 601.95,268.95 SW2.25@601.9,209.09 SW2.25@601.9,209.09 SW2.26@897.17,209.09
BTN_LEFT: C40.2 SW2.7 SW2.8 U8.1 | length 969.5
  Top Layer w7: SW2.7@306.62,799.64 338.06,831.08 338.06,995.51 289.08,1044.5 289.08,1281.36 316.96,1309.24 U8.1@376.23,1309.24
  Bottom Layer w15: SW2.8@306.62,504.36 SW2.7@306.62,799.64 306.8,799.82 366.82,799.82 C40.2@367,800
BTN_RIGHT: C41.2 SW2.15 SW2.16 U8.6 | length 2067.4
  Top Layer w7: U8.6@376.23,1230.5 357.69,1230.48 334.08,1206.86 334.08,1063.14 383.06,1014.15 383.06,468.72 562.7,289.08 663.94,289.08 711.57,336.71 784.83,336.71 952.48,504.36 SW2.16@1015.28,504.36
  Bottom Layer w7: SW2.16@1015.28,504.36 SW2.16@1024.84,504.36
  Bottom Layer w15: SW2.16@1024.84,504.36 1133,612.53 1133,681.92 SW2.15@1015.28,799.64 1015.46,799.82 1077.82,799.82 C41.2@1078,800
BTN_UP: C39.2 SW2.19 SW2.20 U8.14 | length 541.1
  Top Layer w7: U8.14@500.24,1185.23 500.24,1113.97 519.3,1094.91 SW2.19@601.9,1094.91
  Bottom Layer w15: SW2.19@601.9,1094.91 SW2.20@897.17,1094.91 897.09,1094.83 897.09,1030.09 C39.2@897,1030
CHARGER: LD1.2 U1.9 U3.26 | length 1195.1
  Top Layer w8: U3.26@431.58,1799.8 431.58,1818.47 450.26,1837.15 v1(454.4,1837.15) ; U1.9@486.92,2040.16 518.13,2040.16 546.29,2012 605.04,2012 647,2053.96 647,2144.6 597.43,2194.16 597.43,2331.61 653,2387.17 653,2490.91 635.47,2508.44 635.47,2573.47 656.5,2594.5 744.5,2594.5 783,2633 LD1.2@784,2633
  Bottom Layer w8: v1(454.4,1837.15) 454.4,1878.28 547,1970.88 v1(547,2012)
FLASH_CS: U3.14 U7.1 | length 523.9
  Top Layer w8: U3.14@480.8,1573.42 535.4,1573.42 756.82,1352 U7.1@913,1352